# Allegro board parallella_layout.brd (continued)
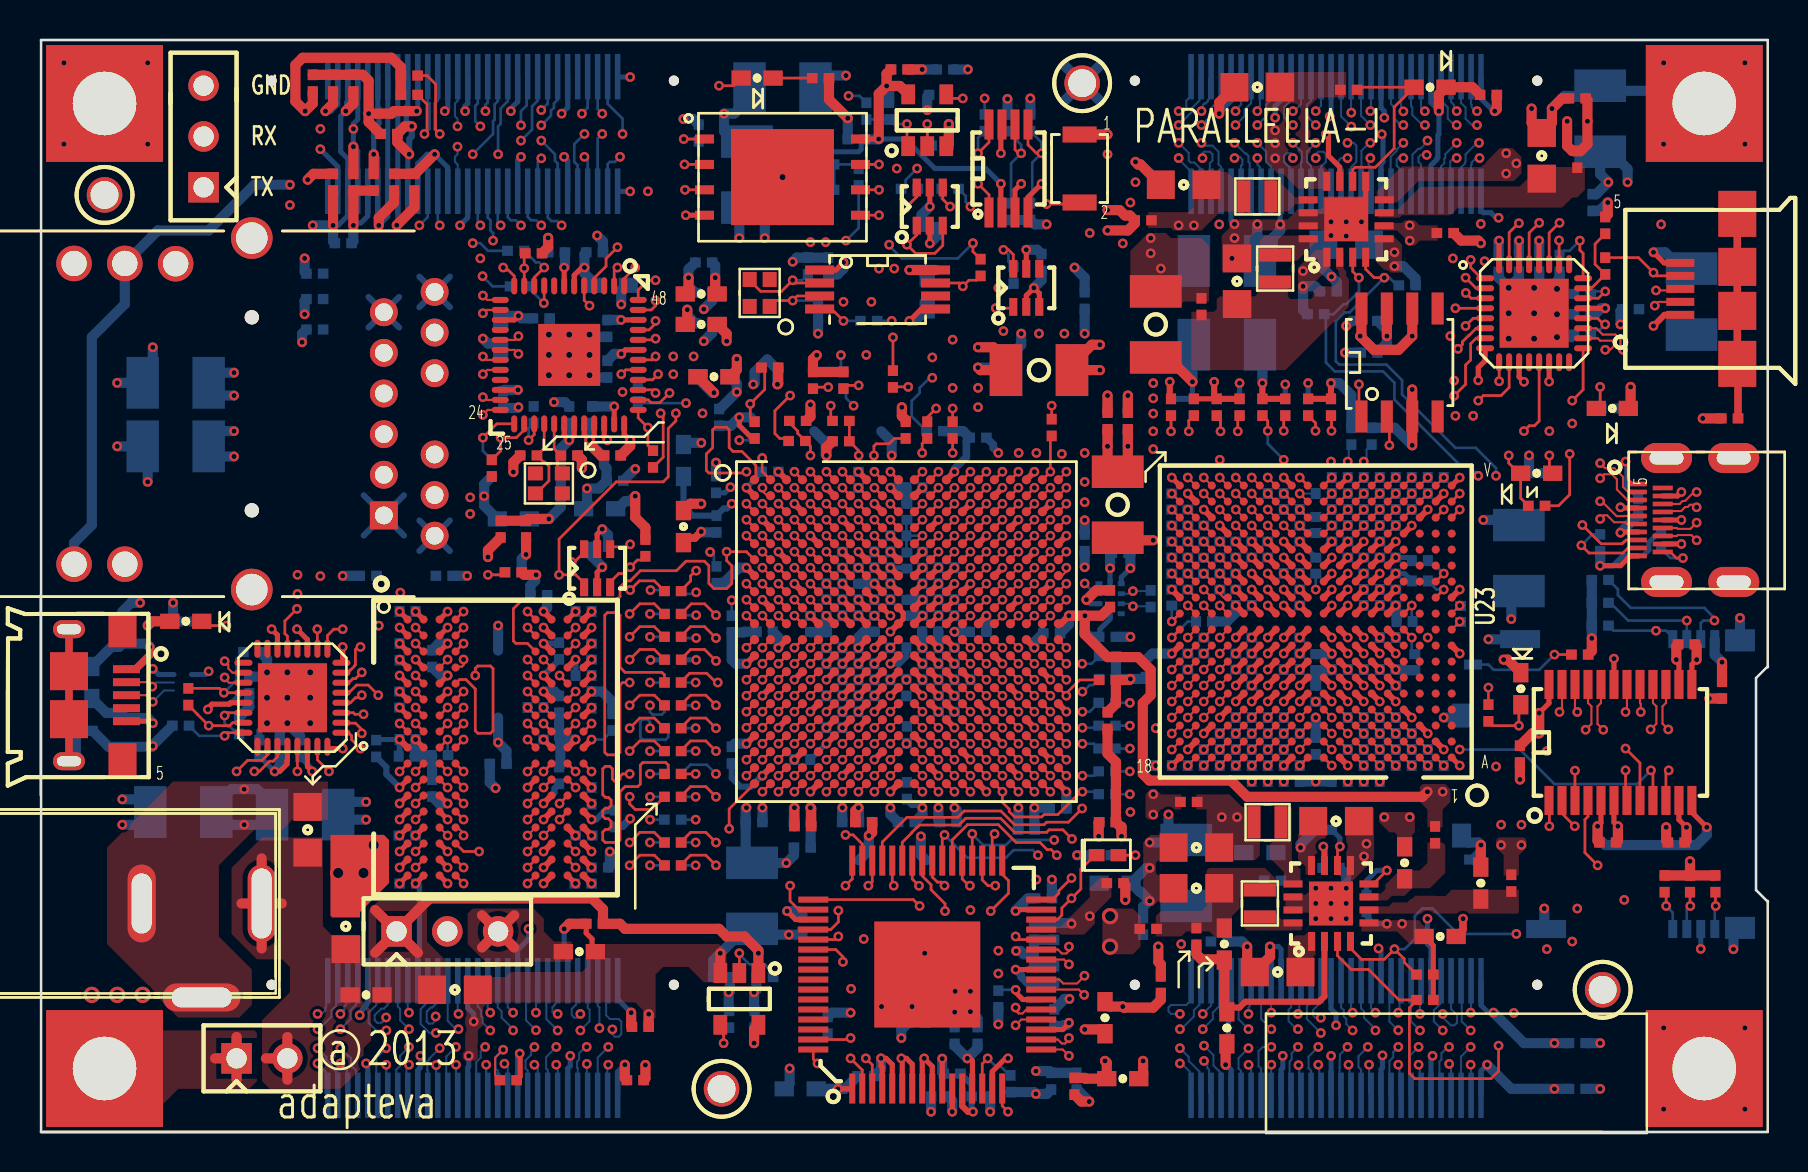
[diagram p0: board, top side]
## Routing (per net, layer and track width the routed paths; a pad name or vN(x,y) marks a point on that pad's centre or on a via; arc(x,y) is an arc through that point) (continued)
GPIO17_N: length 37.2
  TOP w0.102: U2.U8 v1(40.93,19.42)
  L5_SIG w0.095: v1(40.93,19.42) 40.69,19.42 40.57,19.54 40.57,19.71 40.69,19.83 41.2,19.83 41.34,19.68 41.34,17.66 41.57,17.43 41.88,17.43 42.12,17.18 42.12,15.63 41.91,15.42 41.91,14.53 40.68,13.29 40.68,12.1 40.44,11.86 39.55,11.86 38.28,10.59 37.01,10.59 36.43,10.01 30.6,10.01 29.53,8.94 24.95,8.94 24.31,8.31 22.53,8.31 21.77,7.54 20.25,7.54 19.01,6.31 19.01,6.23 18.76,5.97 v1(18.46,5.97)
  BOTTOM w0.102: J11.44 18.39,6.03 v1(18.46,5.97)
GPIO17_P: length 37.6
  TOP w0.102: U2.U9 v1(41.73,19.42)
  L5_SIG w0.095: v1(41.73,19.42) 41.73,19.22 42.12,18.82 42.12,17.67 42.38,17.42 42.39,17.41 42.7,17.41 42.92,17.18 42.92,16 42.22,15.29 42.22,14.4 40.98,13.17 40.98,11.97 40.57,11.56 39.68,11.56 38.41,10.29 37.14,10.29 36.55,9.7 30.72,9.7 29.66,8.64 25.07,8.64 24.44,8 22.66,8 21.9,7.24 20.37,7.24 19.32,6.18 19.32,6.1 18.69,5.47 18.69,5.37 18.46,5.14 v1(18.46,5.14)
  BOTTOM w0.102: J11.46 17.89,6.28 18.01,6.16 18.01,5.59 v1(18.46,5.14)
GPIO18_N: length 37.2
  TOP w0.102: U2.W8 v1(40.93,17.82)
  L5_SIG w0.095: v1(17.32,3.36) 17.63,3.05 17.83,3.05 17.92,3.13 17.92,3.36 17.79,3.49 17.79,4.24 18.06,4.51 18.06,6.1 17.76,6.4 17.76,6.6 17.85,6.7 18.69,6.7 19.99,8 21.64,8 22.41,8.76 24.06,8.76 24.69,9.4 28.89,9.4 30.22,10.72 36.17,10.72 37.01,11.56 38.15,11.56 38.63,12.03 38.63,12.6 38.92,12.89 39.5,12.89 41.01,14.4 41.01,15.61 41.32,15.92 41.32,17.25 40.93,17.64 v1(40.93,17.82)
  BOTTOM w0.102: J11.47 17.32,1.91 v1(17.32,3.36)
GPIO18_P: length 37.1
  TOP w0.102: U2.V8 v1(40.93,18.62)
  L5_SIG w0.095: v1(40.93,18.62) 40.54,18.23 40.54,15.72 40.71,15.56 40.71,14.53 39.37,13.2 38.79,13.2 38.32,12.73 38.32,12.16 38.03,11.86 36.88,11.86 36.05,11.02 30.09,11.02 28.77,9.7 24.56,9.7 23.93,9.07 22.28,9.07 21.52,8.31 19.87,8.31 18.56,7 17.73,7 17.45,6.73 17.45,6.27 17.76,5.97 17.76,4.64 v1(17.31,4.19)
  BOTTOM w0.102: J11.49 16.82,1.91 16.82,3.7 v1(17.31,4.19)
GPIO19_N: length 37.9
  TOP w0.102: U2.Y8 v1(40.93,17.02)
  L3_SIG w0.095: v1(17.31,5.73) 17.31,5.71 17.44,5.59 17.63,5.59 17.76,5.71 17.76,6.54 19.15,7.92 20.37,7.92 20.75,8.31 24.31,8.31 25,8.99 27.87,8.99 30.28,11.4 36.44,11.4 36.82,11.79 39.22,11.79 39.56,12.13 39.56,12.56 39.3,12.83 39.04,12.83 38.79,13.08 38.79,14.61 39.04,14.86 39.55,14.86 39.93,14.48 39.93,14.35 40.06,14.22 40.45,14.22 40.71,14.48 40.71,15.29 41.32,15.91 41.32,17.02 41.2,17.14 41.06,17.14 v1(40.93,17.02)
  BOTTOM w0.102: J11.48 17.39,6.36 17.2,6.17 17.06,6.17 16.74,5.84 16.74,5.59 16.87,5.46 17.07,5.46 17.13,5.52 17.19,5.52 17.31,5.65 v1(17.31,5.73)
GPIO19_P: length 38.2
  TOP w0.102: v1(41.73,17.02) U2.Y9
  L3_SIG w0.095: v1(41.73,17.02) 41.63,16.91 41.63,15.78 41.01,15.16 41.01,14.35 40.58,13.92 39.93,13.92 39.63,14.22 39.63,14.35 39.42,14.55 39.17,14.55 39.09,14.48 39.09,13.21 39.17,13.13 39.42,13.13 39.87,12.69 39.87,12 39.35,11.48 36.95,11.48 36.57,11.1 30.41,11.1 27.99,8.69 25.12,8.69 24.44,8 20.88,8 20.5,7.62 19.28,7.62 18.06,6.41 18.06,5.59 17.76,5.28 17.53,5.28 v1(17.33,5.08)
  BOTTOM w0.102: J11.50 16.82,7.49 16.82,6.35 16.44,5.97 16.44,5.46 16.82,5.08 v1(17.33,5.08)
GPIO20_N: length 37.4
  TOP w0.102: U2.Y6 v1(39.33,17.02)
  L5_SIG w0.095: v1(15.03,4.19) 15.17,4.05 15.17,3.94 15.27,3.84 15.52,3.84 15.93,4.24 16.44,4.24 16.51,4.32 16.51,4.5 16.22,4.79 16.22,5.33 16.55,5.66 16.55,6.1 16.4,6.24 16.4,6.88 17.33,7.8 18.31,7.8 19.58,9.07 20.88,9.07 21.47,9.65 21.47,10.67 22.15,11.35 23.62,11.35 23.82,11.16 28.77,11.16 29.45,11.85 35.6,11.85 36.81,13.06 37.52,13.06 39.44,14.97 39.44,16.43 39.44,16.43 39.44,16.51 39.58,16.65 39.58,16.77 v1(39.33,17.02)
  BOTTOM w0.102: J11.53 15.82,1.91 15.82,3.07 15.56,3.33 15.56,3.68 15.43,3.81 15.41,3.81 v1(15.03,4.19)
GPIO20_P: length 37.5
  TOP w0.102: U2.Y7 v1(40.13,17.02)
  L5_SIG w0.095: v1(15.03,3.43) 15.03,3.17 15.15,3.05 15.45,3.05 15.67,3.27 15.67,3.56 16.06,3.94 16.56,3.94 16.82,4.19 16.82,4.62 16.52,4.91 16.52,5.21 16.86,5.54 16.86,6.22 16.71,6.37 16.71,6.75 17.45,7.49 18.44,7.49 19.71,8.76 21.01,8.76 21.77,9.53 21.77,10.54 22.28,11.05 23.5,11.05 23.69,10.86 28.89,10.86 29.58,11.54 35.73,11.54 36.94,12.75 37.65,12.75 39.74,14.85 39.74,16.3 39.74,16.3 39.74,16.38 39.89,16.52 39.89,16.89 40.01,17.02 v1(40.13,17.02)
  BOTTOM w0.102: v1(15.03,3.43) 15.34,3.11 15.34,1.88 J11.55
GPIO21_N: length 37.7
  TOP w0.102: U2.V7 v1(40.13,18.62)
  L3_SIG w0.095: v1(40.13,18.62) 40.09,18.62 40.03,18.56 40.03,18.33 39.74,18.04 39.74,16.79 39.46,16.51 39.46,16 38.24,14.78 38.24,13.17 37.82,12.75 36.88,12.75 35.99,11.86 30.03,11.86 28.7,10.54 28.25,10.54 27.87,10.92 25.63,10.92 25.5,10.8 25.5,9.94 25,9.44 24.73,9.44 24.06,8.76 20.37,8.76 19.99,8.38 19.1,8.38 18.32,7.59 17.35,7.59 17.25,7.49 17.25,7.04 16.82,6.6 15.72,6.6 15.59,6.46 15.59,5.7 v1(15.03,5.14)
  BOTTOM w0.102: J11.54 15.89,6.51 15.8,6.41 15.8,6.35 15.53,6.08 15.53,5.65 v1(15.03,5.14)
GPIO21_P: length 37.2
  TOP w0.102: U2.U7 v1(40.13,19.42)
  L3_SIG w0.095: v1(15.03,5.91) 15.15,5.91 15.28,6.03 15.28,6.59 15.6,6.91 16.69,6.91 16.94,7.16 16.94,7.62 17.22,7.9 18.19,7.9 18.98,8.69 19.87,8.69 20.25,9.07 23.93,9.07 24.6,9.74 24.87,9.74 25.2,10.07 25.2,10.92 25.5,11.23 27.99,11.23 28.37,10.85 28.58,10.85 29.9,12.17 35.87,12.17 36.76,13.06 37.7,13.06 37.94,13.3 37.94,14.91 39.16,16.13 39.16,16.51 38.94,16.72 38.94,17.98 39.17,18.21 39.48,18.21 39.72,18.46 39.72,19.06 40.08,19.42 v1(40.13,19.42)
  BOTTOM w0.102: J11.56 15.29,7.46 15.29,6.34 15.23,6.28 15.23,6.11 v1(15.03,5.91)
GPIO22_N: length 38.4
  TOP w0.102: U2.W6 v1(39.33,17.82)
  L5_SIG w0.095: v1(39.33,17.82) 38.94,17.43 38.94,16.08 38.58,15.71 38.32,15.71 35.1,12.5 29.14,12.5 28.32,11.68 23.88,11.68 23.75,11.81 21.9,11.81 21.77,11.68 19.81,11.68 19.23,11.1 19.23,9.4 18.21,8.38 17.33,8.38 15.55,6.6 14.99,6.6 14.61,6.22 14.61,4.85 14.43,4.67 14.43,4.24 14.61,4.06 14.61,3.89 14.4,3.68 14.28,3.68 14.15,3.81 14.01,3.81 13.88,3.94 v1(13.88,4.19)
  BOTTOM w0.102: v1(13.88,4.19) 14.33,3.75 14.33,3.61 14.58,3.35 14.58,3.24 14.82,3.01 14.82,1.91 J11.57
GPIO22_P: length 38.4
  TOP w0.102: U2.V6 v1(39.33,18.62)
  L5_SIG w0.095: v1(39.33,18.62) 38.94,18.23 38.39,18.23 38.14,17.98 38.14,15.96 34.98,12.8 29.01,12.8 28.2,11.99 24.01,11.99 23.88,12.12 21.77,12.12 21.64,11.99 19.69,11.99 18.93,11.23 18.93,9.52 18.09,8.69 17.2,8.69 15.42,6.91 14.86,6.91 14.3,6.35 14.3,4.98 13.92,4.6 13.69,4.6 13.41,4.32 13.41,3.9 v1(13.88,3.43)
  BOTTOM w0.102: v1(13.88,3.43) 14.28,3.04 14.28,1.95 J11.59
GPIO23_N: length 37.4
  TOP w0.102: U2.U5 v1(38.53,19.42)
  L3_SIG w0.095: v1(13.88,5.14) 14.11,5.14 14.64,5.67 14.64,6.7 16.45,8.51 18.09,8.51 19.1,9.53 19.1,10.41 20.37,11.68 22.07,11.68 22.15,11.76 23.55,11.76 23.63,11.68 28.58,11.68 29.53,12.64 35.31,12.64 35.56,12.64 36.92,13.99 36.92,14.46 37.82,15.37 37.82,15.6 38.14,15.92 38.14,18.84 38.43,19.13 38.43,19.31 v1(38.53,19.42)
  BOTTOM w0.102: v1(13.88,5.14) 13.95,5.14 14.58,5.78 14.58,6.09 14.82,6.33 14.82,7.49 J11.58
GPIO23_P: length 37.3
  TOP w0.102: U2.T5 v1(38.53,20.22)
  L3_SIG w0.095: v1(13.88,5.91) 13.88,5.85 14.01,5.72 14.26,5.72 14.33,5.79 14.33,6.82 16.32,8.81 17.96,8.81 18.8,9.65 18.8,10.54 20.24,11.98 21.94,11.98 22.02,12.06 23.68,12.06 23.75,11.99 28.45,11.99 29.4,12.94 35.44,12.94 36.61,14.12 36.61,14.59 37.52,15.49 37.52,15.62 37.34,15.8 37.34,18.8 37.57,19.03 37.9,19.03 38.12,19.26 38.12,19.76 38.33,19.97 38.33,20.02 v1(38.53,20.22)
  BOTTOM w0.102: v1(13.88,5.91) 14.09,5.91 14.28,6.09 14.28,6.22 14.32,6.26 14.32,7.49 J11.60
HDMI_5V: length 16.6
  TOP w0.254: J10.19 79.53,28.81 79.05,28.32 v1(78.03,28.32) ; U37.13 82.62,23.39 v1(82.86,23.62)
  TOP w0.508: C289.1 82.86,24.3 v1(82.86,23.62)
  L5_SIG w0.508: v1(78.03,28.32) 78.03,26.8 80.44,24.38 82.1,24.38 v1(82.86,23.62)
  BOTTOM w0.254: v1(78.03,28.32) 78.67,28.32 79.17,28.83 80.19,28.83 80.47,29.11 80.47,29.49 80.99,30.01 R21.2
  BOTTOM w0.508: R19.2 v1(78.03,28.32)
HDMI_24M_CES_CLK: length 41
  TOP w0.133: v1(51.59,12.7) 50.95,12.06 50.95,11.94 50.64,11.62 U26.32
  L8_SIG w0.108: v1(51.59,12.7) 51.36,12.93 51.36,14.1 51.22,14.24 51.22,16.22 50.93,16.51 50.93,20.38 50.69,20.62 50.37,20.62 50.13,20.86 50.13,21.18 49.89,21.42 49.57,21.42 49.33,21.66 49.33,21.98 49.09,22.22 46.34,22.22 46.13,22.42 46.13,22.78 45.9,23.02 45.54,23.02 45.33,23.22 45.33,23.58 45.1,23.82 44.74,23.82 44.53,24.02 44.53,26.78 44.77,27.02 45.1,27.02 45.33,27.26 45.33,27.58 45.57,27.82 45.9,27.82 46.13,28.06 46.13,28.38 46.37,28.63 46.38,28.62 47.5,28.62 47.74,28.86 47.74,33.38 47.42,33.69 47.42,35.31 47.93,35.81 47.93,39.62 47.68,39.88 47.68,40.33 48.31,40.96 48.31,41.83 v1(47.93,42.21)
  BOTTOM w0.133: R114.2 48.48,42.21 v1(47.93,42.21)
HDMI_AVDD: length 11
  TOP w0.254: U26.15 47.63,3.02 48.29,3.68 v1(48.41,3.68) ; v1(51.46,5.46) 51.46,5.44 51.15,5.12 U26.19 ; U26.25 v1(48.8,8.12)
  TOP w0.508: C235.1 53.05,5.13 v1(52.25,5.13)
  BOTTOM w0.381: v1(48.8,8.12) 49.08,7.84 49.08,7.75 49.37,7.45 49.58,7.45
  BOTTOM w0.508: C144.1 C234.1 49.58,7.45 ; C145.1 51.14,5.3 51.19,5.35 51.35,5.35 v1(51.46,5.46) ; v1(49.81,3.05) 50.48,3.05 C233.1 FB15.2
HDMI_BGVDD: length 3.6
  TOP w0.254: v1(46.38,3.68) 46.51,3.68 46.64,3.56 46.64,2.16 U26.13
  BOTTOM w0.508: C263.1 45.75,4.32 v1(46.38,3.68) 46.89,4.19 C266.1
HDMI_CEC: length 60
  TOP w0.133: U37.1 75.49,16.56 v1(75.49,15.29) ; D1.1 52.76,13.84 52.06,13.14 52.06,12.15 v1(51.59,11.68) 51.11,11.2 51.11,10.85 50.89,10.62 U26.30
  L5_SIG w0.108: v1(51.59,11.68) 51.06,11.68 50.6,11.23 50.6,7.87 49.9,7.18 49.9,4.18 51.28,2.79 52.12,2.79 53.52,1.4 76.76,1.4 77.52,2.16 77.52,3.3 78.64,4.42 78.64,5.87 79.24,6.46 v1(79.24,11.61)
  L8_SIG w0.108: v1(75.49,15.29) 75.49,13.89 77.78,11.61 v1(79.24,11.61)
HDMI_CEC_B: length 19.3
  TOP w0.133: U37.7 79.3,16.65 v1(79.3,18.08) ; v1(77.14,30.35) 78.08,29.42 79.13,29.42 79.22,29.51 79.24,29.51 79.33,29.61 J10.15
  L5_SIG w0.108: v1(77.14,30.35) 77.52,29.97 77.52,29.08 77.14,28.7 77.14,26.16 79.81,23.5 79.81,22.1 80.57,21.34 80.57,20.83 79.94,20.19 79.94,18.72 v1(79.3,18.08)
HDMI_CLK: length 29.3
  TOP w0.133: v1(39.93,9.78) 39.78,9.62 U26.53
  L8_SIG w0.108: v1(40.57,7.16) 44,7.16 47.17,10.34 49.2,10.34 51.11,12.24 51.81,12.24 52.06,12.5 52.06,13.1 52.38,13.42 52.38,14.1 52.11,14.36 52.11,15.31 52.73,15.93 52.73,19.68 v1(54.51,21.46)
  L10_SIG w0.108: v1(39.93,9.78) 39.68,9.53 39.68,7.67 40.19,7.16 v1(40.57,7.16)
  BOTTOM w0.133: R41.2 v1(54.51,21.46)
HDMI_CLK_25065215: length 18.5
  TOP w0.133: U14.1 48.62,41.2 v1(47.81,41.2) ; U11.1 43.85,44.87 v1(43.36,44.37) 43.79,43.94 44.76,43.94 45.15,44.34 U11.3
  L5_SIG w0.108: v1(47.81,41.2) 46.99,40.39 44.88,40.39 44.5,40.01 43.23,40.01 42.67,40.56 v1(42.6,40.56)
  L8_SIG w0.108: v1(42.6,40.56) 42.6,41.27 41.46,42.42 41.46,43.45 41.84,43.83 41.84,44.7 42.09,44.96 42.78,44.96 v1(43.36,44.37)
  BOTTOM w0.133: R56.2 v1(42.6,40.56)
HDMI_D8: length 21.2
  TOP w0.133: U2.Y18 v1(49.74,17.02) ; U26.54 39.8,9.12 40.16,8.76 v1(40.16,8.51)
  L5_SIG w0.108: v1(47.93,7.92) 48.64,8.64 48.95,8.64 48.97,8.66 48.99,8.66 49.22,8.89 49.22,12.72 49.58,13.08 49.96,13.08 50.35,13.46 50.35,14.1 50.13,14.31 50.13,16.62 v1(49.74,17.02)
  L10_SIG w0.108: v1(47.93,7.92) 47.35,8.51 v1(40.16,8.51)
HDMI_D9: length 21
  TOP w0.133: U2.W18 v1(49.74,17.82) ; U26.52 39.55,10.12 39.93,10.5 v1(39.93,11.07)
  L5_SIG w0.108: v1(49.74,17.82) 49.74,17.6 49.33,17.2 49.33,14.09 49.46,13.97 49.46,13.34 48.82,12.7 48.82,11.94 48.31,11.43 48.31,9.45 v1(47.93,9.07)
  L10_SIG w0.108: v1(39.93,11.07) 40.45,10.55 41.59,10.55 42.57,9.58 47.42,9.58 v1(47.93,9.07)
HDMI_D10: length 18.1
  TOP w0.133: U26.50 37.94,11.12 37.51,11.55 37.51,12.31 v1(37.52,12.32) ; U2.V18 v1(49.74,18.62)
  L10_SIG w0.108: v1(37.52,12.32) 38.03,12.32 39.33,13.62 42.69,13.62 43.42,14.35 45.39,14.35 45.77,14.73 45.77,15.11 47.04,16.38 47.3,16.38 47.74,16.82 47.74,17.18 47.97,17.42 48.33,17.42 48.54,17.62 48.54,17.98 48.77,18.22 49.13,18.22 49.33,18.41 49.53,18.41 v1(49.74,18.62)
HDMI_D11: length 14.7
  TOP w0.133: v1(44,11.3) 43.67,11.62 U26.49 ; U2.V15 v1(47.34,18.62)
  L3_SIG w0.108: v1(44,11.3) 44.5,11.81 44.5,12.95 45.77,14.22 45.77,14.86 46.93,16.02 46.93,18.22 v1(47.34,18.62)
HDMI_D12: length 27
  TOP w0.133: v1(40.29,12.32) 40.63,12.66 U26.48 ; U2.R18 v1(49.74,21.02)
  L10_SIG w0.108: v1(49.74,21.02) 49.97,21.02 50.37,21.42 51.54,21.42 51.74,21.21 51.74,20.85 51.98,20.62 52.46,20.62 53.39,19.68 53.39,14.22 52.27,13.1 49.73,13.1 48.19,11.56 44.76,11.56 44.5,11.81 43.36,11.81 42.98,11.43 41.18,11.43 v1(40.29,12.32)
HDMI_D13: length 16.8
  TOP w0.133: v1(40.29,14.86) 40.67,14.86 41.13,14.4 U26.47 ; U2.P18 v1(49.74,21.82)
  L3_SIG w0.108: v1(49.74,21.82) 49.56,21.64 49.32,21.64 49.1,21.42 48.69,21.42 48.53,21.26 48.53,20.85 48.3,20.62 43.86,20.62 42.93,19.69 42.93,19.25 42.7,19.02 42.37,19.02 42.13,18.78 42.13,18.45 41.9,18.22 41.57,18.22 41.33,17.98 41.33,17.65 41.1,17.42 40.78,17.42 40.54,17.18 40.54,15.9 40.29,15.65 v1(40.29,14.86)
HDMI_D14: length 14
  TOP w0.133: U2.Y19 v1(50.54,17.02) ; v1(41.43,12.32) 41.63,12.52 U26.46
  L10_SIG w0.108: v1(50.54,17.02) 50.54,16.07 47.75,13.28 46.15,13.28 45.71,12.83 43.8,12.83 43.23,12.26 43.23,12.19 42.85,11.81 41.96,11.81 41.84,11.94 41.81,11.94 v1(41.43,12.32)
HDMI_D15: length 15.5
  TOP w0.133: v1(52.12,16.18) 51.44,15.49 50.35,15.49 50.22,15.37 48.74,15.37 48.06,16.05 46.22,16.05 45.9,15.74 43.36,15.74 42.13,14.5 U26.45 ; U2.W19 v1(50.54,17.82)
  L5_SIG w0.108: v1(50.54,17.82) 50.93,17.42 50.93,16.68 51.44,16.18 v1(52.12,16.18)
HDMI_D16: length 10
  TOP w0.133: U26.44 42.63,12.39 v1(42.7,12.32) ; U2.W15 v1(47.34,17.82)
  L8_SIG w0.108: v1(42.7,12.32) 42.73,12.34 42.73,12.7 43.74,13.72 45.01,13.72 45.77,14.48 45.77,14.86 46.94,16.02 46.94,17.18 47.34,17.58 v1(47.34,17.82)
HDMI_D17: length 18.5
  TOP w0.133: U26.43 43.13,14.49 43.6,14.96 43.6,14.97 43.87,15.24 43.88,15.24 44,15.35 45.96,15.35 46.3,15.69 48.04,15.69 48.74,14.99 50.35,14.99 50.47,15.11 51.16,15.11 v1(51.62,14.66) ; U2.T19 v1(50.54,20.22)
  L10_SIG w0.108: v1(50.54,20.22) 50.94,19.82 51.5,19.82 51.74,19.58 51.74,19.18 52,18.92 52.17,18.92 52.81,18.29 52.81,15.8 52,14.99 51.95,14.99 v1(51.62,14.66)
HDMI_D18: length 20.7
  TOP w0.133: U26.42 43.63,12.65 v1(43.96,12.31) ; U2.R19 v1(50.54,21.02)
  L10_SIG w0.108: v1(50.54,21.02) 50.94,20.62 51.57,20.62 51.74,20.45 51.74,20.05 51.97,19.82 52.45,19.82 53.09,19.18 53.09,15.7 52.38,14.99 52.38,13.63 52.14,13.39 49.46,13.39 47.99,11.92 45.76,11.92 45.65,11.81 45.01,11.81 44.51,12.31 v1(43.96,12.31)
HDMI_D19: length 24.7
  TOP w0.133: U26.41 44.13,12.8 44.57,12.36 44.57,12.12 45.27,11.42 v1(45.27,11.05) ; U2.P19 v1(50.54,21.82)
  L10_SIG w0.108: v1(50.54,21.82) 50.77,21.82 51.17,22.22 51.5,22.22 51.73,21.98 51.73,21.98 51.74,21.97 51.74,21.72 52,21.46 52.63,21.46 53.72,20.37 53.72,15.19 53.65,15.11 53.65,13.97 51.87,12.19 50.27,12.19 v1(49.84,12.62) 49.15,11.94 48.95,11.94 48.19,11.18 48.19,11.05 47.68,10.54 45.77,10.54 v1(45.27,11.05)
HDMI_D20: length 11.4
  TOP w0.133: U2.W20 v1(51.34,17.82) ; U26.40 44.63,12.75 44.88,12.5 45.06,12.5 v1(45.24,12.32)
  L10_SIG w0.108: v1(45.24,12.32) 45.77,12.32 46.28,12.83 47.81,12.83 50.93,15.95 50.93,17.42 v1(51.34,17.82)
HDMI_D21: length 13
  TOP w0.133: U2.V20 v1(51.34,18.62) ; v1(45.24,14.86) 45.13,14.75 U26.39
  L10_SIG w0.108: v1(51.34,18.62) 51.74,18.22 51.74,16.76 51.62,16.64 51.62,16.09 50.26,14.73 50.26,14.19 v1(49.91,13.84)
  BOTTOM w0.133: v1(45.24,14.86) 46.38,13.72 48.31,13.72 48.69,14.1 49.66,14.1 v1(49.91,13.84)
HDMI_D22: length 15.1
  TOP w0.133: U2.U20 v1(51.34,19.42) ; v1(50.85,13.84) 50.57,14.12 50.37,14.12 50.01,14.48 48.82,14.48 47.93,15.37 46.39,15.37 45.63,14.61 U26.38
  L10_SIG w0.108: v1(50.85,13.84) 50.85,13.64 51.22,14 51.22,14.97 51.41,15.16 51.74,15.16 52.54,15.96 52.54,18 51.34,19.2 v1(51.34,19.42)
HDMI_D23: length 14.2
  TOP w0.133: U2.T20 v1(51.34,20.22) ; v1(46.51,12.32) 46.46,12.32 46.13,12.65 U26.37
  L3_SIG w0.108: v1(46.51,12.32) 49.18,14.99 49.2,14.99 50.14,15.92 50.14,17.98 50.38,18.22 51.94,18.22 52.57,18.85 52.57,19.61 52.35,19.82 51.73,19.82 v1(51.34,20.22)
HDMI_DE: length 27.2
  TOP w0.133: U26.63 40.47,4.62 v1(40.54,4.7)
  L8_SIG w0.108: v1(54.51,18.03) 54,17.53 54,15.34 53.69,15.04 53.69,12.06 52.89,11.26 52.89,10.98 52.9,10.96 52.9,10.63 52.89,10.61 52.89,8.76 52.5,8.38 52.1,8.38 49.71,5.99 49.71,5.51 48.95,4.75 44.12,4.75 43.75,5.12 40.96,5.12 v1(40.54,4.7)
  BOTTOM w0.133: R94.2 v1(54.51,18.03)
HDMI_DVDD: length 16.2
  TOP w0.254: v1(37.37,11.05) 37.79,10.62 U26.51 ; U26.1 40.61,2.16 v1(39.91,2.16) ; U26.31 48.87,11.12 v1(48.8,11.05) ; U26.11 v1(45.63,1.02)
  L3_SIG w0.508: v1(39.91,2.16) 40.24,1.83 44.81,1.83 v1(45.63,1.02)
  BOTTOM w0.508: C231.1 37.91,11.05 v1(37.37,11.05) ; C58.1 45.63,1.56 v1(45.63,1.02) ; C67.1 40.25,2.16 v1(39.91,2.16) C232.1 ; C230.1 49.41,11.68 48.8,11.07 v1(48.8,11.05)
HDMI_HPD: length 43.1
  TOP w0.133: U26.16 48.13,1.3 v1(48.41,1.02) ; v1(77.9,13.34) 77.27,13.97 77.27,15.62 77.42,15.77 U37.4
  L3_SIG w0.108: v1(48.41,1.02) 50.17,1.02 51.87,2.72 53.14,2.72 53.52,2.34 72.62,2.34 73.84,3.56 73.84,3.81 76.35,6.32 76.35,8.16 77.4,9.21 77.4,12.83 v1(77.9,13.34)
HDMI_HPD_B: length 23.5
  TOP w0.133: v1(79.3,33.53) 79.43,33.4 79.43,32.64 79.66,32.41 J10.1 ; U37.10 81.32,17.95 v1(81.46,18.08)
  L5_SIG w0.108: v1(81.46,18.08) 81.97,18.59 81.97,20.83 80.19,22.61 80.19,23.62 77.52,26.29 77.52,28.47 77.63,28.57 77.65,28.57 78.54,29.46 78.54,32.77 v1(79.3,33.53)
  BOTTOM w0.133: R24.1 79.3,32.3 v1(79.3,33.53)
HDMI_HSYNC: length 29.5
  TOP w0.133: U26.64 38.68,3.64 v1(38.89,3.43)
  L8_SIG w0.108: v1(54.51,20.32) 53.11,18.92 53.11,15.65 52.44,14.97 52.44,14.53 52.7,14.27 52.7,12.13 51.74,11.18 51.11,11.18 49.68,9.75 49.68,8.81 49.43,8.56 46.01,8.56 44.12,6.67 40.58,6.67 38.89,4.98 v1(38.89,3.43)
  BOTTOM w0.133: R44.2 v1(54.51,20.32)
HDMI_INT: length 22.1
  TOP w0.133: v1(48.8,9.78) 48.95,9.62 U26.28 ; R22.1 52,22.61 51.34,21.95 v1(51.34,21.82) U2.P20
  L3_SIG w0.108: v1(48.8,9.78) 48.41,10.16 47.68,10.16 47.04,10.79 47.04,11.3 47.42,11.68 47.81,11.68 48.31,12.19 48.31,13.59 50.35,15.62 52.25,15.62 53.01,16.38 53.01,19.94 52.63,20.32 52.63,21.21 52.38,21.46 52,21.46 51.64,21.82 v1(51.34,21.82)
HDMI_PVDD: length 6.2
  TOP w0.305: U26.12 46.13,1.3 46.41,1.02 v1(46.66,1.02)
  TOP w0.508: FB18.2 52.25,2.71 52.29,2.67 C296.1 53.35,3.47 v1(53.27,3.56)
  BOTTOM w0.305: C265.1 46.6,2.36 C264.1 46.6,1.08 v1(46.66,1.02)
HDMI_TX0_N: length 59.3
  TOP w0.102: U37.17 80.02,21.46 80.06,21.42 v1(80.06,21.01) ; v1(78.03,30.66) 78.22,30.84 78.38,30.84 78.73,30.49 79.28,30.49 79.37,30.41 J10.11 ; U26.20 49.09,5.62 v1(48.8,5.33)
  L10_SIG w0.095: v1(48.8,5.33) 49.09,5.63 50.73,5.63 51.02,5.92 52.48,5.92 52.82,5.58 54.91,5.58 56.62,7.29 70.54,7.29 77.14,13.89 78.67,13.89 79.75,14.97 79.75,17.21 80.06,17.53 80.06,19.48 79.81,19.74 79.81,20.75 v1(80.06,21.01) 79.83,21.23 79.83,23.7 77.26,26.28 77.26,28.46 76.63,29.08 76.63,30.56 77.1,31.02 77.8,31.02 78.03,30.79 v1(78.03,30.66)
HDMI_TX0_P: length 59.4
  TOP w0.102: U26.21 49.33,6.12 49.14,5.93 48.95,5.93 48.8,6.08 v1(48.8,6.22) ; v1(79.3,21.01) 79.37,21.08 U37.18 ; J10.9 79.24,30.81 79.23,30.8 78.86,30.8 78.11,31.54 v1(78.03,31.54)
  L10_SIG w0.095: v1(78.03,31.54) 77.82,31.33 76.97,31.33 76.33,30.68 76.33,28.96 76.95,28.33 76.95,26.15 79.53,23.57 79.53,21.23 v1(79.3,21.01) 79.3,20.95 79.5,20.75 79.5,19.61 79.76,19.36 79.76,17.65 79.44,17.34 79.44,15.1 78.54,14.2 77.02,14.2 70.41,7.59 56.49,7.59 54.78,5.88 52.95,5.88 52.61,6.22 50.89,6.22 50.6,5.93 49.09,5.93 v1(48.8,6.22)
HDMI_TX1_N: length 61
  TOP w0.102: v1(78.19,20.12) 77.9,20.41 77.9,21.28 78.07,21.46 U37.20 ; v1(52.22,6.86) 51.96,7.12 U26.23 ; J10.8 81.33,31.01 81.38,31.05 82.08,31.05 82.29,31.25 82.41,31.25 82.52,31.37 82.73,31.37 v1(82.86,31.24)
  L10_SIG w0.095: v1(52.22,6.86) 52.24,6.86 52.33,6.95 52.33,7.09 52.43,7.18 53.12,7.18 53.43,7.49 53.43,7.99 53.82,8.38 63.6,8.38 64.06,8.84 65.76,8.84 66.22,8.38 69.95,8.38 76.24,14.67 76.24,16.52 77.51,17.8 77.51,19.07 77.9,19.46 77.9,19.83 v1(78.19,20.12) 77.9,20.41 77.9,23.54 76.4,25.04 76.4,28.14 75.33,29.21 75.33,30.5 76.77,31.93 79.88,31.93 80.51,31.31 82.38,31.31 82.54,31.47 82.76,31.47 82.86,31.37 v1(82.86,31.24)
HDMI_TX1_P: length 61.2
  TOP w0.102: v1(52.24,7.82) 52.24,7.8 51.87,7.43 51.18,7.43 50.98,7.62 U26.24 ; v1(77.3,20.12) 77.59,20.41 77.59,21.28 77.42,21.46 U37.21 ; J10.6 82.01,31.41 82.16,31.56 82.28,31.56 82.72,32 v1(82.86,32)
  L10_SIG w0.095: v1(82.86,32) 82.73,32 82.5,31.77 82.42,31.77 82.26,31.61 80.63,31.61 80.01,32.24 79.75,32.24 76.64,32.24 75.02,30.62 75.02,29.08 76.09,28.01 76.09,24.91 77.59,23.41 77.59,20.41 v1(77.3,20.12) 77.3,20.08 77.6,19.79 77.6,19.59 77.21,19.2 77.21,17.92 75.94,16.65 75.94,14.79 69.83,8.69 66.35,8.69 65.89,9.14 63.93,9.14 63.48,8.69 53.7,8.69 53.13,8.12 53.13,7.62 53,7.49 52.43,7.49 52.33,7.58 52.33,7.72 v1(52.24,7.82)
HDMI_TX2_N: length 54.3
  TOP w0.102: J10.5 79.39,31.61 78.87,32.13 78.87,32.64 78.62,32.89 78.23,32.89 v1(78.03,32.69) ; U26.26 51.22,8.62 v1(51.46,8.38) ; v1(76.89,21.01) 76.77,21.12 U37.22
  L10_SIG w0.095: v1(78.03,32.69) 77.83,32.89 75.95,32.89 74.47,31.41 74.47,27.57 75.49,26.54 75.49,25.27 74.53,24.31 74.53,23.19 75.57,22.15 76.18,22.15 76.6,21.73 76.6,21.3 v1(76.89,21.01) 76.56,20.68 76.56,18.77 73.66,15.88 71.55,15.88 70.64,14.96 62.26,14.96 60,12.7 57.84,12.7 55.04,9.91 53.19,9.91 51.96,8.67 51.75,8.67 v1(51.46,8.38)
HDMI_TX2_P: length 54.5
  TOP w0.102: v1(78.03,33.45) 78.28,33.2 78.74,33.2 79.17,32.77 79.17,32.26 79.43,32.01 J10.3 ; U26.27 50.91,9.12 51.11,8.93 51.34,8.93 51.46,9.06 v1(51.46,9.27) ; U37.23 76.12,21.13 v1(76,21.01)
  L10_SIG w0.095: v1(78.03,33.45) 77.78,33.2 75.82,33.2 74.16,31.54 74.16,27.44 75.19,26.42 75.19,25.4 74.22,24.43 74.22,23.06 75.44,21.84 76.05,21.84 76.29,21.6 76.29,21.3 v1(76,21.01) 76.25,20.75 76.25,18.9 73.54,16.18 71.43,16.18 70.51,15.27 62.13,15.27 59.87,13 57.71,13 54.92,10.21 53.06,10.21 51.83,8.98 51.75,8.98 v1(51.46,9.27)
HDMI_TXC_N: length 60.8
  TOP w0.102: U26.17 51.15,4.12 v1(51.46,3.81) ; J10.14 81.87,29.81 81.91,29.85 82.6,29.85 v1(82.86,29.59) ; v1(81.44,20.13) 81.15,20.42 81.15,21.28 81.32,21.46 U37.15
  L10_SIG w0.095: v1(51.46,3.81) 51.75,4.1 56.14,4.1 56.61,4.57 56.61,6.17 56.83,6.4 71.55,6.4 76.78,11.63 78.16,11.63 80.63,14.09 80.63,14.34 80.63,16.06 82.22,17.65 82.22,18.47 81.21,19.48 81.21,19.9 v1(81.44,20.13) 81.15,20.42 81.15,24.11 79.68,25.58 79.68,29.13 80.42,29.87 82.73,29.87 82.86,29.74 v1(82.86,29.59)
HDMI_TXC_P: length 60.9
  TOP w0.102: v1(82.86,30.47) 82.54,30.16 81.91,30.16 81.87,30.21 J10.12 ; v1(80.56,20.13) 80.84,20.42 80.84,21.28 80.67,21.46 U37.16 ; U26.18 50.91,4.62 51.11,4.43 51.28,4.43 51.46,4.62 v1(51.46,4.7)
  L10_SIG w0.095: v1(51.46,4.7) 51.75,4.41 56.01,4.41 56.3,4.7 56.3,6.3 56.71,6.71 71.43,6.71 76.65,11.93 78.04,11.93 80.32,14.22 80.32,16.19 81.92,17.78 81.92,18.34 80.9,19.36 80.9,19.78 v1(80.56,20.13) 80.84,20.42 80.84,23.98 79.38,25.45 79.38,29.26 80.29,30.18 82.56,30.18 v1(82.86,30.47)
HDMI_VSYNC: length 29.2
  TOP w0.133: v1(40.54,3.68) 41.13,3.1 U26.2
  L8_SIG w0.108: v1(54.51,19.18) 53.49,18.16 53.49,15.38 53.35,15.23 53.35,12.4 51.87,10.92 51.36,10.92 50.35,9.91 50.35,7.16 48.96,5.78 47.31,5.78 47.04,5.51 40.59,5.51 40.03,4.95 40.03,4.19 v1(40.54,3.68)
  BOTTOM w0.133: R42.2 v1(54.51,19.18)